# Altium PCB COEXPIX PCB.PcbDoc (part 2 of 2)
Units mm, origin at the board's own origin, x right, y up, seen from the top; angles counter-clockwise.
Board outline 35 x 35 mm, 4 copper layers (Top Layer, Signal Layer 1, Inner Layer 2, Bottom Layer), stack 0.778 mm thick; 134 components, 73 nets, 541 pads, 273 vias.
Unrouted connection lines stored in the file: 33.
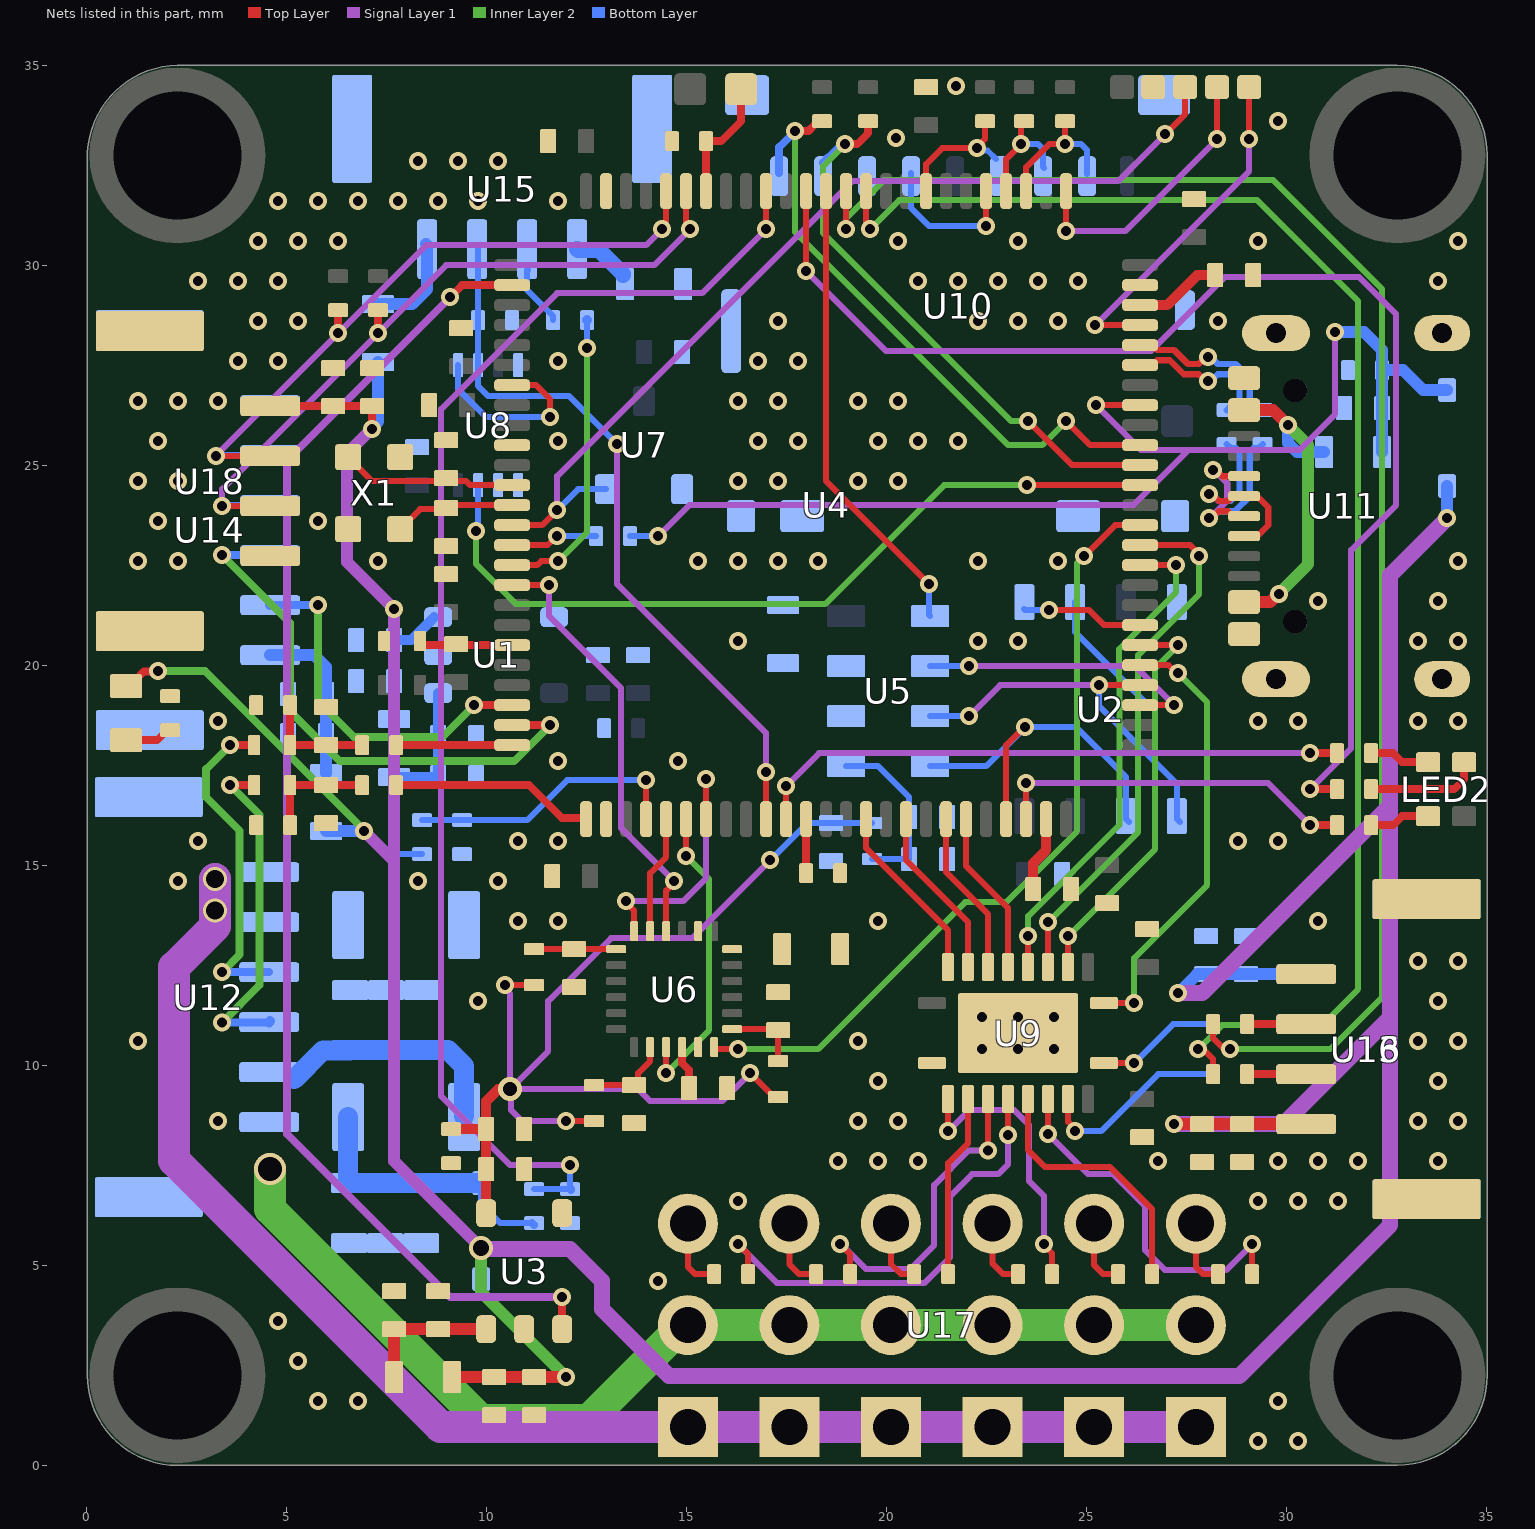
[diagram p4: the nets of this part, all layers, seen from the top]

## Via types
v1: diameter 0.45, hole 0.25, Top Layer to Bottom Layer, tented both sides, 262 vias
v2: diameter 0.45, hole 0.25, Top Layer to Bottom Layer, tented bottom, 6 vias
v3: diameter 0.6, hole 0.45, Top Layer to Bottom Layer, tented both sides, 2 vias
v4: diameter 0.8, hole 0.6, Top Layer to Bottom Layer, tented both sides, 1 vias
v5: diameter 0.6, hole 0.35, Top Layer to Bottom Layer, tented both sides, 1 vias
v6: diameter 0.6, hole 0.4, Top Layer to Bottom Layer, tented both sides, 1 vias

## Nets (pads, with @x,y where several pads share a name; then routed paths per layer and width w, separated by ;. In a path a pad name is that pad's centre, name@x,y a point inside that pad or via, vN(x,y) a via of type N, cw(c..) or ccw(c..) an arc to the next point about the centre after c; other vN are vias at no path point) (continued)
"3.3v sens.": C16.1 C17.1 C22.2 C23.2 C24.2 C27.2 C28.2 C30.2 L4.1 L4.2 L5.1 L5.2 L6.1 L6.2 L16.1 L16.2 R5.1 U3.5 U5.1 U6.1 U6.8 U6.13 | length 40.9
  Top Layer w0.15: v1(10.475,12) L16.1@11.2,12 ; L16.2@11.2,12.9 C30.2@12.2,12.9 U6.1@13.3,12.9 ; v1(12,8.6) L5.1@12.7,8.6 ; L5.2@12.7,9.5 C28.2@13.7,9.5 ; C28.2@13.8,9.5 13.8,9.8 14.1,10.1 U6.8@14.1,10.45 ; U6.13@16.1,10.9 17.3,10.9 C27.2@17.3,10.875 L6.2@17.3,10.1 ; v1(16.6,9.8) L6.1@17.2,9.2
  Top Layer w0.25: R5.1@9.025,8.4 R5.1@9.125,8.4 C16.1@10,8.4 ; U3.5@10,6.3 C17.1@10,7.4 C16.1@10,8.4 ; v5(10.6,9.4) 10.3,9.4 10,9.1 C16.1@10,8.4
  Signal Layer 1 w0.15: v1(10.475,12) 10.475,11.919 10.6,11.794 v5(10.6,9.4) ; v1(12,8.6) 10.9,8.6 10.618,8.882 10.618,9.382 v5(10.6,9.4) ; v1(16.6,9.8) 15.9,9.1 14.1,9.1 13.8,9.4 v5(10.6,9.4) ; v1(17.1,15.125) 15.15,13.175 13.125,13.175 11.55,11.6 11.55,10.35 v5(10.6,9.4)
  Bottom Layer w0.15: v1(17.1,15.125) 18.025,16.05 C24.2@18.625,16.05 L4.1@19.65,16.05 ; U5.1@19,17.475 19.8,17.475 20.575,16.7 C22.2@20.575,16.2 C23.2@20.575,15.15 L4.2@19.65,15.15
"5v input": C39.2 C40.2 C41.2 C42.2 C43.2 C44.2 D2.2 L12.1 L12.2 R4.1 U12.1 U12.2 U17.7 U17.8 U17.9 U17.10 U17.11 U17.12 | length 40.5
  Inner Layer 2 w0.8: v4(4.6,7.4) 4.6,6.4 9.875,1.125 12.55,1.125 14.9,3.475 U17.7@15.05,3.475 ; U17.7@15.04,3.5 U17.8@17.58,3.5 U17.9@20.12,3.5 U17.10@22.66,3.5 U17.11@25.2,3.5 U17.12@27.74,3.5 U17.12@27.75,3.5
  Bottom Layer w0.15: D2.2@9.875,6.925 9.875,6.525 10.35,6.05 R4.1@11.15,6.05
  Bottom Layer w0.2: R4.1@11.15,6.05 R4.1@11.2,6
  Bottom Layer w0.25: D2.2@9.875,7.05 D2.2@9.9,7.05
  Bottom Layer w0.5: U12.2@5.2,9.65 5.921,10.371 6.596,10.371 C41.2@6.6,10.375 ; C41.2@6.225,10.375 C41.2@6.6,10.375 ; L12.2@6.55,8.7 6.55,7.05 C43.2@8.375,7.05 D2.2@9.75,7.05 ; L12.1@9.45,8.725 9.45,9.975 9.05,10.375 C40.2@8.4,10.375 C39.2@7.5,10.375 C41.2@6.6,10.375
"5v input_USB": C38.1 D1.2 L15.1 L15.2 R21.2 R22.2 U4.68 U11.A4 U11.A9 U11.B4 U11.B9 | length 38.6
  Top Layer w0.15: v1(25.25,26.5) U4.68@26.35,26.5 U4.68@26.375,26.5
  Top Layer w0.3: U11.A9@29.025,26.375 29.675,26.375 v1(30.05,26) ; U11.B9@29.2,21.575 29.596,21.575 29.796,21.775 v1(29.825,21.775)
  Signal Layer 1 w0.15: v1(14.3,23.225) 15.075,24 26.175,24 27.55,25.375 ; v1(25.25,26.5) 26.375,25.375 27.55,25.375 ; v1(31.225,28.325) 31.225,26.275 30.325,25.375 27.55,25.375
  Inner Layer 2 w0.3: v1(29.825,21.775) 29.825,21.801 30.55,22.526 30.55,25.5 v1(30.05,26)
  Bottom Layer w0.15: R22.2@13.6,23.225 v1(14.3,23.225)
  Bottom Layer w0.3: v1(30.05,26) 30.05,25.55 30.275,25.325 L15.2@30.95,25.325 ; v1(31.225,28.325) 31.95,28.325 32.4,27.875 R21.2@32.4,27.375 ; L15.1@32.4,25.325 R21.2@32.4,27.375 ; D1.2@34.025,26.875 33.425,26.875 32.925,27.375 R21.2@32.4,27.375
"5v input_USB_valid": R22.1 U4.15 | length 2.2
  Top Layer w0.15: U4.15@10.65,23 11.533,23 11.758,23.225 v1(11.775,23.225)
  Bottom Layer w0.15: v1(11.775,23.225) R22.1@12.75,23.225
"5v input_valid": R4.2 R6.1 U4.91 | length 33.7
  Top Layer w0.15: v1(17,30.9) U4.91@17,31.85
  Signal Layer 1 w0.15: v1(12.1,7.5) 10.6,7.5 8.875,9.225 8.875,26.4 11.775,29.3 15.4,29.3 v1(17,30.9) v1@17,30.775
  Bottom Layer w0.15: R4.2@11.2,6.9 R6.1@12.1,6.9 v1(12.1,7.5)
  Bottom Layer w0.2: R6.1@12.125,6.875 R6.1@12.1,6.9 R6.1@12.125,6.9
"5v main": C4.1 C5.1 C6.1 C7.1 C18.1 C19.1 C20.1 C21.1 C47.2 C48.2 C49.2 C50.2 C51.2 C52.2 C53.2 C54.2 D1.1 D2.1 L1.1 L1.2 L3.1 L3.2 L10.1 L10.2 L17.1 L17.2 LED1.1 LED1.2 R8.1 R11.2 U1.1 U1.3 U3.1 U13.1 U14.1 U15.1 U16.1 U18.1 | length 130
  Top Layer w0.2: LED1.1@1,18.1 LED1.1@1,18.125 1.775,18.125 1.95,18.3 R11.2@2.025,18.375 ; LED1.2@1.15,19.55 1.175,19.55 1.25,19.625 1.25,19.65 1.448,19.848 1.798,19.848 v1(1.8,19.85) ; U18.1@4.6,26.474 7.149,26.474 v1@7.15,25.875
  Top Layer w0.3: L3.1@7.7,2.2 C19.1@7.7,3.4 U3.1@10,3.4 ; L3.2@9.2,2.2 v1(12,2.2) ; v1@27.201,8.526 U13.1@30.5,8.526
  Signal Layer 1 w0.3: v1(6.95,15.85) 7.7,15.1 ; v1@7.125,25.9 6.525,25.3 6.525,22.575 v1(7.7,21.4) 7.7,15.1 ; v6(9.875,5.425) 7.7,7.6 7.7,15.1
  Signal Layer 1 w0.4: v6@9.9,5.4 12.1,5.4 12.9,4.6 12.9,3.9 14.575,2.225 28.825,2.225 32.6,6 32.6,11.2 ; v1(27.2,8.525) 29.925,8.525 32.6,11.2 ; v1(27.3,11.8) 27.9,11.8 32.6,16.5 ; v1(34.025,23.675) 32.6,22.25 32.6,16.5 ; 32.6,11.2 32.6,16.5
  Inner Layer 2 w0.2: v1(1.8,19.85) 2.975,19.85 v1@6.975,15.85
  Inner Layer 2 w0.3: v6(9.875,5.425) 9.875,4.325 v1(12,2.2)
  Bottom Layer w0.15: v1(6.95,15.85) 7.525,15.275 R8.1@8.4,15.275
  Bottom Layer w0.25: L1.1@7.7,17.2 C5.1@8.8,17.2 C4.1@8.8,18.2 U1.1@8.8,19.3 ; L1.2@7.7,18.75 C7.1@7.7,20.6 ; v1@7.724,21.376 v1(7.7,21.4) C7.1@7.7,20.6 ; U1.3@8.7,21.2 8.575,21.075 8.129,20.629 7.729,20.629 C7.1@7.7,20.6
  Bottom Layer w0.3: U14.1@4.6,20.25 5.7,20.25 6,19.95 L10.2@6,17.3 ; L10.1@6,15.85 v1(6.95,15.85) v1@6.975,15.85 ; v1(7.15,25.9) 7.15,25.941 7.3,26.091 L17.1@7.3,27.575 ; L17.2@7.3,29.025 8.15,29.025 8.525,29.4 8.525,30.5 U15.1@8.5,30.525 ; D2.1@9.875,4.625 D2.1@9.875,4.65 v6(9.875,5.425) ; v1(27.3,11.8) 27.774,12.274 U16.1@30.5,12.274 ; v1(34.025,23.675) D1.1@34.025,24.475
"5v main_sens.": R8.2 R9.1 U4.29 | length 7
  Top Layer w0.15: U4.29@14,16.15 v1(14,17.125)
  Bottom Layer w0.15: R8.2@8.4,16.125 R9.1@9.4,16.125 11.025,16.125 12.025,17.125 v1(14,17.125)
AGND: C39.1 C40.1 C41.1 L13.2 U12.5 U12.6 U17.13 U17.14 U17.15 U17.16 U17.17 U17.18 | length 35.8
  Signal Layer 1 w0.8: v3(3.225,14.65) v3(3.225,13.862) 3.225,13.475 2.2,12.45 2.2,7.617 8.858,0.96 U17.13@15.04,0.96 U17.14@17.58,0.96 U17.15@20.12,0.96 U17.16@22.66,0.96 U17.17@25.2,0.96 U17.18@27.74,0.96
AGND2: C14.2 C26.1 C27.1 C28.1 C30.1 L7.1 L11.1 L14.1 U4.20 U5.2 U5.3 U6.11 U6.18 U6.20 | length 2.4
  Top Layer w0.2: L7.1@8.4,20.6 8.4,20.5 U4.20@10.65,20.5
AGND3: L18.2 U15.4 | length 1.4
  Bottom Layer w0.4: U15.4@12.275,30.4 12.299,30.376 12.824,30.376 13.375,29.825 13.425,29.775 L18.2@13.425,29.75
AUX1: R34.1 R34.2 U9.15 U17.1 | length 13.6
  Top Layer w0.15: U17.1@15.04,6.04 15.04,4.96 15.225,4.775 R34.1@15.7,4.775 ; v1(16.3,5.525) 16.55,5.275 R34.2@16.55,4.775 ; U9.15@23.048,9.152 23.048,8.252 v1(23.05,8.25)
  Signal Layer 1 w0.15: v1(16.3,5.525) 17.275,4.55 20.95,4.55 21.6,5.2 21.6,6.725 22.15,7.275 22.8,7.275 23.048,7.523 v1@23.048,8.252
AUX2: R35.1 R35.2 U9.14 U17.2 | length 9.9
  Top Layer w0.15: U17.2@17.58,6.04 17.58,5.02 17.825,4.775 R35.1@18.25,4.775 ; v1(18.85,5.525) 19.1,5.275 R35.2@19.1,4.775 ; v1(22.547,7.867) U9.14@22.547,9.152
  Signal Layer 1 w0.15: v1@18.9,5.5 19.5,4.9 20.6,4.9 21.2,5.5 21.2,7 22.067,7.867 v1(22.547,7.867)
AUX3: R36.1 R36.2 U9.13 U17.3 | length 6.3
  Top Layer w0.15: U17.3@20.12,6.04 20.12,5.03 20.375,4.775 R36.1@20.7,4.775 ; R36.2@21.55,4.775 21.55,7.55 22.048,8.048 U9.13@22.048,9.152
AUX4: R37.1 R37.2 U9.12 U17.4 | length 8.9
  Top Layer w0.15: U9.12@21.547,9.152 21.547,8.353 v1(21.55,8.35) ; U17.4@22.66,6.04 22.66,5.04 22.925,4.775 R37.1@23.3,4.775 ; v1(23.95,5.525) 23.95,5.492 24.15,5.292 R37.2@24.15,4.775
  Signal Layer 1 w0.15: v1(21.55,8.35) 22.075,8.875 23.2,8.875 23.575,8.5 23.575,7.1 23.95,6.725 v1(23.95,5.525)
AUX5: R38.1 R38.2 U9.16 U17.5 | length 8.4
  Top Layer w0.15: U9.16@23.55,9.225 23.55,7.875 23.975,7.45 25.6,7.45 26.65,6.4 R38.2@26.65,4.775 ; U17.5@25.2,6.04 25.2,5 25.425,4.775 R38.1@25.8,4.775
AUX6: R39.1 R39.2 U9.17 U17.6 | length 10.8
  Top Layer w0.15: U9.17@24.047,9.152 24.047,8.278 v1(24.05,8.275) ; U17.6@27.74,6.04 27.74,4.96 27.925,4.775 R39.2@28.3,4.775 ; R39.1@29.15,4.775 v1(29.15,5.525)
  Signal Layer 1 w0.15: v1(24.05,8.275) 25.05,7.275 25.675,7.275 26.475,6.475 26.475,5.375 26.975,4.875 28.5,4.875 v1(29.15,5.525)
BOOT0: pad.1@16.375,34.4 R10.1 U4.94 | length 3.1
  Top Layer w0.2: U4.94@15.5,31.85 R10.1@15.5,33.1 15.875,33.1 16.375,33.6 pad.1@16.375,34.4
BOOT1: R7.2 U4.37 | length 1.4
  Top Layer w0.2: R7.2@18,14.8 U4.37@18,16.175
"Current sens.": C45.1 L8.1 L8.2 R25.1 R25.2 R28.1 U4.26 U12.3 | length 16.3
  Top Layer w0.2: v1(3.6,17) L8.1@4.2,17 ; R28.1@5.1,16 L8.2@5.1,17 C45.1@6,17 R25.1@6.9,17 ; R25.2@7.75,17 11.075,17 11.9,16.175 12.475,16.175 U4.26@12.5,16.15
  Inner Layer 2 w0.2: v1(3.4,11.07) 4.339,12.009 4.339,16.261 v1(3.6,17)
  Bottom Layer w0.2: v1(3.4,11.07) U12.3@4.57,11.07
  Bottom Layer w0.25: U12.3@4.57,11.07 U12.3@4.6,11.1
FMU_AUX1: U4.45 U9.6 | length 4.1
  Top Layer w0.15: U4.45@22,16.15 22,14.975 23.048,13.927 U9.6@23.048,12.452
FMU_AUX2: U4.44 U9.7 | length 4.1
  Top Layer w0.15: U4.44@21.5,16.15 21.5,14.825 22.55,13.775 U9.7@22.55,12.45
FMU_AUX3: U4.42 U9.8 | length 4.3
  Top Layer w0.15: U4.42@20.5,16.15 20.5,15.125 22.05,13.575 U9.8@22.05,12.45
FMU_AUX4: U4.40 U9.9 | length 4.5
  Top Layer w0.15: U4.40@19.5,16.15 19.5,15.425 21.55,13.375 U9.9@21.55,12.45
FMU_AUX5: U4.60 U9.5 | length 12.5
  Top Layer w0.15: U9.5@23.55,12.55 v1(23.55,13.225) ; U4.60@26.35,22.5 v1(27.25,22.5)
  Top Layer w0.2: U9.5@23.5,12.5 U9.5@23.55,12.55
  Inner Layer 2 w0.15: v1(23.55,13.225) 23.55,13.725 25.83,16.005 25.83,19.678 25.825,19.683 25.825,20.4 27.25,21.825 v1(27.25,22.5)
FMU_AUX6: U4.61 U9.4 | length 13.5
  Top Layer w0.15: U9.4@24.05,12.45 v1(24.05,13.575) ; U4.61@26.35,23 27.6,23 27.825,22.775 v1(27.825,22.725)
  Top Layer w0.2: U9.4@24.05,12.45 U9.4@24.1,12.4
  Inner Layer 2 w0.15: v1(24.05,13.575) 26.3,15.825 26.3,20.25 27.825,21.775 v1(27.825,22.725)
"FMU_RC input": U4.64 U8.7 | length 20.2
  Top Layer w0.15: v1(23.525,24.5) U4.64@26.35,24.5
  Inner Layer 2 w0.15: v1(9.75,23.35) 9.75,22.525 10.75,21.525 18.475,21.525 21.45,24.5 v1(23.525,24.5)
  Bottom Layer w0.15: v1(9.75,23.35) 9.75,23.404 9.8,23.454 U8.7@9.8,24.5
FRAM_SPI_CS: U2.1 U4.57 | length 3.1
  Top Layer w0.15: v1(24.075,21.375) 25.075,21.375 25.45,21 U4.57@26.35,21
  Bottom Layer w0.15: U2.1@23.45,21.4 23.475,21.375 v1(24.075,21.375)
FRAM_SPI_MISO: U2.2 U4.53 U5.6 | length 11.3
  Top Layer w0.15: U4.53@26.35,19 v1(27.2,19)
  Signal Layer 1 w0.15: v1(22.075,19.975) 26.225,19.975 v1(27.2,19)
  Bottom Layer w0.15: U5.6@21.1,19.975 v1(22.075,19.975) ; U2.2@24.725,21.575 24.725,20.825 26.55,19 v1(27.2,19)
FRAM_SPI_MOSI: U2.5 U4.54 U5.7 | length 9.8
  Top Layer w0.15: v1(25.325,19.5) U4.54@26.35,19.5
  Signal Layer 1 w0.15: v1(22.075,18.725) 22.85,19.5 v1(25.325,19.5)
  Bottom Layer w0.15: U5.7@21.1,18.725 v1(22.075,18.725) ; v1(25.325,19.5) 25.325,18.975 27.275,17.025 27.275,16.15 U2.5@27.35,16.075
FRAM_SPI_SCK: U2.6 U4.47 U5.8 | length 9.5
  Top Layer w0.15: U4.47@23,16.15 23,18 23.45,18.45 v1(23.475,18.45)
  Bottom Layer w0.15: U5.8@21.1,17.475 22.5,17.475 v1(23.475,18.45) 24.75,18.45 26,17.2 26,16.15 U2.6@26.075,16.075
GND: C1.1 C2.2 C3.2 C4.2 C5.2 C6.2 C7.2 C8.1 C9.1 C10.1 C11.1 C12.1 C13.1 C15.1 C16.2 C17.2 C18.2 C19.2 C20.2 C21.2 C22.1 C23.1 C24.1 C25.2 C29.1 C31.2 C32.2 C33.2 C34.1 C35.1 C36.2 C37.2 C38.2 C42.1 C43.1 C44.1 C45.2 C46.2 C47.1 C48.1 C49.1 C50.1 C51.1 C52.1 C53.1 C54.1 L7.2 L11.2 L13.1 L14.2 L18.1 pad.1@26.675,34.45 R1.2 R5.2 R6.2 R7.1 R9.2 R10.2 R11.1 R14.1 R21.1 R27.2 R28.2 U1.2 U1.4 U2.4 U3.2 U3.4 U4.10 U4.27 U4.74 U4.99 U7.1 U8.4 U8.5 U8.6 U9.11 U9.21 U10.6 U10.11 U11.1@29.746,19.651 U11.1@29.746,28.301 U11.1@33.9,19.65 U11.1@33.9,28.3 U11.A1 U11.A12 U11.B1 U11.B12 U12.7 U13.4 U13.5 U14.6 U14.7 U15.5 U16.4 U16.5 U18.4 U18.5 X1.2 X1.4
  other v1: 29.3,0.6 30.3,0.6 5.8,1.6 6.8,1.6 29.8,1.6 5.3,2.6 4.8,3.6 14.3,4.6 16.3,6.6 29.3,6.6 30.3,6.6 31.3,6.6 18.8,7.6 19.8,7.6 20.8,7.6 26.8,7.6 29.8,7.6 30.8,7.6 31.8,7.6 33.8,7.6 3.3,8.6 19.3,8.6 20.3,8.6 33.3,8.6 34.3,8.6 19.8,9.6 33.8,9.6 1.3,10.6 19.3,10.6 33.3,10.6 34.3,10.6 9.8,11.6 33.8,11.6 33.3,12.6 34.3,12.6 10.8,13.6 11.8,13.6 19.8,13.6 30.8,13.6 2.3,14.6 8.3,14.6 10.3,14.6 2.8,15.6 10.8,15.6 11.8,15.6 28.8,15.6 29.8,15.6 11.8,17.6 14.8,17.6 3.3,18.6 29.3,18.6 30.3,18.6 33.3,18.6 34.3,18.6 16.3,20.6 22.3,20.6 23.3,20.6 33.3,20.6 34.3,20.6 30.8,21.6 33.8,21.6 1.3,22.6 2.3,22.6 7.3,22.6 15.3,22.6 16.3,22.6 17.3,22.6 18.3,22.6 22.3,22.6 24.3,22.6 34.3,22.6 1.8,23.6 5.8,23.6 1.3,24.6 2.3,24.6 16.3,24.6 17.3,24.6 19.3,24.6 20.3,24.6 1.8,25.6 11.8,25.6 16.8,25.6 17.8,25.6 19.8,25.6 20.8,25.6 21.8,25.6 1.3,26.6 2.3,26.6 3.3,26.6 16.3,26.6 17.3,26.6 19.3,26.6 20.3,26.6 3.8,27.6 4.8,27.6 11.8,27.6 16.8,27.6 17.8,27.6 4.3,28.6 5.3,28.6 17.3,28.6 22.3,28.6 23.3,28.6 24.3,28.6 28.3,28.6 2.8,29.6 3.8,29.6 4.8,29.6 20.8,29.6 21.8,29.6 22.8,29.6 23.8,29.6 24.8,29.6 33.8,29.6 4.3,30.6 5.3,30.6 6.3,30.6 20.3,30.6 23.3,30.6 29.3,30.6 34.3,30.6 4.8,31.6 5.8,31.6 6.8,31.6 7.8,31.6 8.8,31.6 9.8,31.6 11.8,31.6 8.3,32.6 9.3,32.6 10.3,32.6 20.25,33.175 29.8,33.6 21.75,34.475
  other v2: 22.4,10.4 23.3,10.4 24.2,10.4 22.4,11.2 23.3,11.2 24.2,11.2
GPS_UART_RX: U4.24 U14.3 | length 14.2
  Top Layer w0.2: U4.24@10.65,18.5 v1(11.6,18.5)
  Top Layer w0.25: U4.24@10.6,18.5 U4.24@10.65,18.5
  Inner Layer 2 w0.2: v1(3.4,22.75) 5.1,21.05 5.1,18.84 6.34,17.6 10.7,17.6 v1(11.6,18.5)
  Bottom Layer w0.2: v1(3.4,22.75) U14.3@4.6,22.75
GPS_UART_TX: U4.23 U14.2 | length 9.2
  Top Layer w0.2: v1(9.7,19) U4.23@10.65,19
  Inner Layer 2 w0.2: v1(5.8,21.5) 5.8,19.1 6.7,18.2 8.9,18.2 v1(9.7,19)
  Bottom Layer w0.2: U14.2@4.6,21.5 v1(5.8,21.5)
I2C_SCL: R3.2 U4.95 U14.4 U18.3 | length 18.8
  Top Layer w0.15: v1(3.4,23.975) U18.3@4.6,23.975 ; U4.95@15,31.85 15,31.068 15.1,30.968 v1(15.1,30.9)
  Top Layer w0.2: v1(7.3,28.3) R3.2@7.3,28.875
  Signal Layer 1 w0.15: v1(3.4,23.975) 3.4,24.4 v1(7.3,28.3) 9,30 14.2,30 v1(15.1,30.9)
  Bottom Layer w0.15: v1@3.4,23.95 3.45,24 U14.4@4.6,24
I2C_SDA: R2.2 U4.96 U14.5 U18.2 | length 17.6
  Top Layer w0.15: v1(3.25,25.225) U18.2@4.6,25.225 ; v1(14.4,30.9) 14.4,30.968 14.5,31.068 U4.96@14.5,31.85
  Top Layer w0.2: v1(6.3,28.3) R2.2@6.3,28.875
  Signal Layer 1 w0.15: v1(3.25,25.225) 3.25,25.25 6.252,28.252 v1(6.3,28.3) 8.5,30.5 14,30.5 v1(14.4,30.9)
  Bottom Layer w0.15: v1@3.425,25.25 U14.5@4.6,25.25
LED_BLUE: LED2.4 R12.1 R12.2 U4.89 | length 35
  Top Layer w0.15: v1(18,29.85) U4.89@18,31.85
  Top Layer w0.2: v1(30.6,16.9) R12.1@31.275,16.9 ; R12.2@32.125,16.9 34.2,16.9 34.45,17.15 LED2.4@34.45,17.575
  Signal Layer 1 w0.15: v1(18,29.85) 19.99,27.86 26.625,27.86 28.465,29.7 31.825,29.7 32.75,28.775 32.75,24 31.625,22.875 31.625,17.925 v1(30.6,16.9)
LED_GREEN: LED2.2 R13.1 R13.2 U4.36 | length 16.5
  Top Layer w0.15: U4.36@17.475,16.1 17.5,16.125 U4.36@17.5,16.15 v1(17.5,16.975)
  Top Layer w0.2: v1(30.6,17.8) R13.1@31.275,17.8 ; R13.2@32.125,17.8 32.675,17.8 32.9,17.575 LED2.2@33.55,17.575
  Signal Layer 1 w0.15: v1(17.5,16.975) 18.325,17.8 v1(30.6,17.8)
LED_RED: LED2.1 R15.1 R15.2 U4.48 | length 10.7
  Top Layer w0.15: U4.48@23.5,16.1 U4.48@23.5,16.15 v1(23.5,17.05)
  Top Layer w0.2: v1(30.6,16) R15.1@31.275,16 ; R15.2@32.125,16 32.675,16 32.9,16.225 LED2.1@33.55,16.225
  Signal Layer 1 w0.15: v1@23.5,17 v1@23.502,17.002 ; v1(23.5,17.05) 29.55,17.05 v1(30.6,16)
MicroSD_CLK: U4.80 U10.5 | length 3.8
  Top Layer w0.15: v1(22.5,30.975) U4.80@22.5,31.85
  Bottom Layer w0.15: U10.5@20.625,32.3 20.625,31.425 21.075,30.975 v1(22.5,30.975)
MicroSD_CMD: R16.2 U4.83 U10.3 | length 3.4
  Top Layer w0.15: U4.83@21,31.875 21,32.525 21.4,32.925 v1(22.275,32.925) 22.275,32.963 22.475,33.163 R16.2@22.475,33.6
  Bottom Layer w0.15: v1(22.275,32.925) 22.332,32.868 22.532,32.868 U10.3@22.75,32.65
MicroSD_DAT0: R20.2 U4.65 U10.7 | length 14.5
  Top Layer w0.15: v1(23.55,26.1) 24.65,25 U4.65@26.35,25
  Top Layer w0.2: v1(18.975,33.025) 19.275,33.025 19.55,33.3 R20.2@19.55,33.6
  Inner Layer 2 w0.15: v1(18.975,33.025) 18.425,32.475 18.425,30.8 23.125,26.1 v1(23.55,26.1)
  Bottom Layer w0.2: U10.7@18.425,32.55 18.425,32.568 18.549,32.692 18.567,32.692 18.852,32.977 18.927,32.977 v1(18.975,33.025)
MicroSD_DAT1: R19.2 U4.66 U10.8 | length 15.7
  Top Layer w0.15: v1(24.5,26.1) 25.1,25.5 U4.66@26.325,25.5
  Top Layer w0.2: v1(17.725,33.35) 17.734,33.359 18.059,33.359 18.225,33.525 18.25,33.525 18.3,33.575 R19.2@18.3,33.6
  Inner Layer 2 w0.15: v1(17.725,33.35) 17.725,30.825 23.05,25.5 23.9,25.5 v1(24.5,26.1)
  Bottom Layer w0.2: U10.8@17.325,32.3 17.325,32.95 v1(17.725,33.35)
MicroSD_DAT2: R18.2 U4.78 U10.1 | length 3.6
  Top Layer w0.15: U4.78@23.5,31.85 23.5,32.45 24.075,33.025 v1(24.475,33.025) R18.2@24.475,33.6
  Bottom Layer w0.15: v1(24.475,33.025) 24.875,33.025 25.025,32.875 25.025,32.3 U10.1@25.025,32.275
MicroSD_DAT3: R17.2 U4.79 U10.2 | length 3
  Top Layer w0.15: U4.79@23,31.85 23,32.65 v1(23.375,33.025) 23.375,33.6 R17.2@23.4,33.625
  Bottom Layer w0.15: v1(23.375,33.025) 23.8,33.025 23.925,32.9 23.925,32.45 U10.2@23.95,32.425
MPU9250_SPI_CS: U4.17 U6.22 | length 11
  Top Layer w0.15: U4.17@10.65,22 v1(11.575,22) ; U6.22@14.5,13.35 14.5,14.362 14.7,14.562 v1(14.7,14.6)
  Signal Layer 1 w0.15: v1(11.575,22) 11.575,21.225 13.375,19.425 13.375,15.925 v1(14.7,14.6)
MPU9250_SPI_INT: U4.62 U6.12 | length 20
  Top Layer w0.15: U6.12@15.7,10.4 v1(16.3,10.4) ; v1(24.95,22.725) 25.725,23.5 U4.62@26.35,23.5
  Inner Layer 2 w0.15: v1(16.3,10.4) 18.3,10.4 21.975,14.075 23,14.075 24.775,15.85 24.775,22.55 v1(24.95,22.725)
MPU9250_SPI_SCLK: U4.30 U6.23 | length 2.9
  Top Layer w0.15: U6.23@14.1,13.35 14.1,14.8 14.5,15.2 U4.30@14.5,16.1
MPU9250_SPI_SDI: U4.32 U6.24 | length 6.5
  Top Layer w0.15: v1(13.5,14.1) 13.5,14.062 13.7,13.862 U6.24@13.7,13.35 ; U4.32@15.5,16.1 v1(15.5,17.15)
  Signal Layer 1 w0.15: v1(13.5,14.1) 14.925,14.1 15.5,14.675 v1@15.5,17.1
MPU9250_SPI_SDO: U4.31 U6.9 | length 7.6
  Top Layer w0.15: v1@14.5,9.9 U6.9@14.5,10.45 ; v1@15,15.2 v1(15,15.225) U4.31@15,16.15
  Inner Layer 2 w0.15: v1(14.5,9.8) 15.575,10.875 15.575,14.65 v1(15,15.225)
"MS5607_SPI_ CS": U4.88 U5.5 | length 11.7
  Top Layer w0.15: U4.88@18.5,31.85 18.5,24.6 v1(21.075,22.025)
  Bottom Layer w0.15: v1(21.075,22.025) 21.075,21.25 U5.5@21.1,21.225
NRST: pad.1@27.475,34.45 U4.14 U7.2 | length 23.7
  Top Layer w0.15: U4.14@10.65,23.5 11.4,23.5 v1(11.775,23.875) ; v1(26.975,33.275) 27.475,33.775 pad.1@27.475,34.45
  Signal Layer 1 w0.15: v1(11.775,23.875) 11.775,24.725 19.15,32.1 25.8,32.1 v1(26.975,33.275)
  Bottom Layer w0.15: v1(11.775,23.875) 12.3,24.4 U7.2@13,24.4
OSC_IN: C15.2 U4.12 X1.3 | length 4.2
  Top Layer w0.15: X1.3@6.55,25.2 7.15,24.6 C15.2@8.8,24.6 ; C15.2@9,24.7 9.1,24.6 9.5,24.6 9.6,24.5 U4.12@10.65,24.5
OSC_OUT: C25.1 U4.13 X1.1 | length 3.1
  Top Layer w0.15: X1.1@7.85,23.4 8.35,23.9 9,23.9 9.1,24 U4.13@10.65,24 U4.13@10.7,24
"RC input": R14.2 U4.35 U8.2 U15.2 | length 18.5
  Top Layer w0.15: U4.35@17,16.15 v1(17,17.325)
  Top Layer w0.25: U4.35@17,16.1 U4.35@17,16.15
  Signal Layer 1 w0.15: v1@13.275,25.5 13.275,22.025 17,18.3 v1(17,17.325)
  Bottom Layer w0.15: U15.2@9.8,30.425 U8.2@9.8,27.5 9.8,26.975 10.05,26.725 12.075,26.725 v1(13.275,25.525)
REGOUT: C26.2 U6.10 | length 1.3
  Top Layer w0.2: U6.10@14.9,10.45 14.9,10.05 15.075,9.875 C26.2@15.075,9.425 C26.2@15.075,9.225
RSSI_IN: R31.1 R31.2 U4.16 U15.3 | length 9.1
  Top Layer w0.15: U4.16@10.65,22.5 11.275,22.5 11.375,22.6 v1(11.8,22.6)
  Inner Layer 2 w0.15: v1(11.8,22.6) 12.525,23.325 v1(12.525,27.925)
  Bottom Layer w0.15: U15.3@11.025,29.875 11.05,29.875 11.025,29.85 11.025,29.375 11.675,28.725 R31.2@11.675,28.625 ; v1(12.525,27.925) R31.1@12.525,28.625
SBUS_INV: U4.7 U8.1 | length 4.8
  Top Layer w0.15: U4.7@10.6,27 U4.7@10.65,27 11.25,27 11.6,26.65 v1(11.6,26.2)
  Bottom Layer w0.15: U8.1@9.3,27.5 9.3,26.9 10,26.2 v1(11.6,26.2)
"Sens. enable": U3.3 U4.2 | length 33.8
  Top Layer w0.2: v1(9.1,29.2) 9.4,29.5 U4.2@10.65,29.5 ; U3.3@11.9,3.3 v1(11.9,4.2)
  Signal Layer 1 w0.2: v1(9.1,29.2) 5.025,25.125 5.025,8.275 9.1,4.2 v1(11.9,4.2)
SWCLK: pad.1@28.275,34.45 U4.76 | length 7
  Top Layer w0.15: v1(24.5,30.85) U4.76@24.5,31.85 ; v1(28.275,33.15) pad.1@28.275,34.45
  Signal Layer 1 w0.15: v1(24.5,30.85) 25.975,30.85 v1(28.275,33.15)
SWDIO: pad.1@29.075,34.45 U4.72 | length 8.7
  Top Layer w0.15: v1(25.225,28.5) U4.72@26.35,28.5 ; v1(29.075,33.15) pad.1@29.075,34.45
  Signal Layer 1 w0.15: v1(25.225,28.5) 29.075,32.35 v1(29.075,33.15)
Telem1_UART_RX: R30.1 R30.2 U4.87 U13.3 | length 40.6
  Top Layer w0.15: v1(19,30.9) U4.87@19,31.85 ; R30.1@28.1,11.05 28.1,11.025 28.175,10.95 28.175,10.675 28.402,10.448 28.552,10.448 v1(28.6,10.4)
  Top Layer w0.2: R30.2@29.025,11.025 30.45,11.025 U13.3@30.475,11.05
  Inner Layer 2 w0.15: v1(19,30.9) 19,31.175 19.95,32.125 29.675,32.125 32.4,29.4 32.4,11.7 31.1,10.4 v1(28.6,10.4)
Telem1_UART_TX: R29.1 R29.2 U4.86 U13.2 | length 38.6
  Top Layer w0.15: U4.86@19.5,31.85 19.5,31.081 19.6,30.981 v1(19.6,30.9) ; v1(27.8,10.4) 27.925,10.4 28.175,10.15 28.175,9.875 R29.1@28.15,9.85
  Top Layer w0.2: R29.2@29.025,9.775 U13.2@30.525,9.775
  Inner Layer 2 w0.15: v1(19.6,30.9) 20.325,31.625 29.275,31.625 31.8,29.1 31.8,11.9 30.9,11 28.4,11 v1(27.8,10.4)
Telem2_UART_FMU_RX: U4.56 U9.3 | length 10.2
  Top Layer w0.15: U9.3@24.55,12.45 v1(24.55,13.225) ; U4.56@26.35,20.5 v1(27.3,20.5)
  Top Layer w0.2: U9.3@24.5,12.4 U9.3@24.55,12.45
  Inner Layer 2 w0.15: v1(24.55,13.225) 26.725,15.4 26.725,19.925 v1(27.3,20.5)
Telem2_UART_FMU_TX: U4.55 U9.1 | length 11.1
  Top Layer w0.15: U9.1@25.448,11.552 v1@26.148,11.552 ; U4.55@26.35,20 27.059,20 27.259,19.8 v1(27.3,19.8)
  Top Layer w0.3: v1@26.148,11.552 v1@26.2,11.5
  Inner Layer 2 w0.15: v1(26.2,11.55) 26.2,12.675 28.025,14.5 28.025,19.075 v1(27.3,19.8)
Telem2_UART_RX: R33.1 R33.2 U9.18 U16.3 | length 6.3
  Top Layer w0.15: U9.18@24.547,9.152 24.547,8.583 24.725,8.405 v1(24.725,8.35)
  Bottom Layer w0.15: v1(24.725,8.35) 25.375,8.35 26.8,9.775 R33.1@28.175,9.775 ; R33.2@29.025,9.775 30.4,9.775 U16.3@30.425,9.8
Telem2_UART_TX: R32.1 R32.2 U9.20 U16.2 | length 4.6
  Top Layer w0.15: U9.20@25.448,10.052 v1@26.148,10.052
  Top Layer w0.3: v1@26.148,10.052 v1@26.2,10
  Bottom Layer w0.15: v1(26.2,10.05) 27.175,11.025 R32.1@28.175,11.025 ; R32.2@29.025,11.025 30.4,11.025 U16.2@30.425,11.05
USB_D_N: R24.1 R24.2 U4.70 U11.A7 U11.B7 | length 9
  Top Layer w0.16: U4.70@26.35,27.5 26.655,27.5 26.775,27.62 27.087,27.62 27.437,27.27 27.811,27.27 27.981,27.1 v1(28.05,27.1) ; v1(28.075,24.275) 28.144,24.275 28.314,24.105 28.555,24.105 28.675,24.225 U11.A7@28.95,24.225 29.275,24.225 29.55,23.95 29.55,23.5 29.275,23.225 U11.B7@28.95,23.225 U11.B7@28.925,23.225
  Bottom Layer w0.16: v1(28.05,27.1) 28.119,27.1 28.289,27.27 28.625,27.27 28.834,27.061 28.834,26.564 28.74,26.47 28.609,26.47 R24.2@28.514,26.375 ; v1(28.075,24.275) 28.144,24.275 28.314,24.105 28.605,24.105 28.834,24.334 28.834,25.336 28.74,25.43 28.609,25.43 R24.1@28.514,25.525
USB_D_P: R23.1 R23.2 U4.71 U11.A6 U11.B6 | length 10.4
  Top Layer w0.16: U4.71@26.35,28 26.655,28 26.775,27.88 27.195,27.88 27.545,27.53 27.811,27.53 27.981,27.7 v1(28.05,27.7) ; v1(28.075,23.675) 28.144,23.675 28.314,23.845 28.555,23.845 28.675,23.725 U11.A6@28.95,23.725 ; v1(28.175,24.875) 28.253,24.875 28.403,24.725 U11.B6@28.95,24.725
  Signal Layer 1 w0.16: v1(28.075,23.675) 28.09,23.675 28.525,24.11 28.525,24.55 28.2,24.875 v1(28.175,24.875)
  Bottom Layer w0.16: v1(28.05,27.7) 28.119,27.7 28.289,27.53 28.733,27.53 29.094,27.169 29.094,26.564 29.187,26.47 29.319,26.47 R23.2@29.414,26.375 ; v1(28.075,23.675) 28.144,23.675 28.314,23.845 28.713,23.845 29.094,24.226 29.094,25.336 29.187,25.43 29.319,25.43 R23.1@29.414,25.525
VCAP_1: C32.1 U4.49 | length 1.9
  Top Layer w0.25: C32.1@23.675,14.4 23.675,15.05 24,15.375 U4.49@24,16.15
VCAP_2: C33.1 U4.73 | length 2.2
  Top Layer w0.25: U4.73@26.325,29 U4.73@26.35,29 27.025,29 27.775,29.75 28.246,29.75 28.25,29.746 C33.1@28.25,29.75
"Voltage sens.": C46.1 L9.1 L9.2 R26.1 R26.2 R27.1 U4.25 U12.4 | length 13.9
  Top Layer w0.2: v1(3.6,18) L9.1@4.2,18 ; R27.1@5.1,19 L9.2@5.1,18 R26.2@6.9,18 ; R26.1@7.75,18 U4.25@10.65,18
  Inner Layer 2 w0.2: v1(3.4,12.325) 3.839,12.764 3.839,15.861 3,16.7 3,17.4 v1(3.6,18)
  Bottom Layer w0.2: v1@3.425,12.325 U12.4@4.575,12.325
  Bottom Layer w0.25: v1@3.4,12.3 v1@3.425,12.325
pads on no net: U4.1 U4.3 U4.4 U4.5 U4.8 U4.9 U4.18 U4.33 U4.34 U4.38 U4.39 U4.41 U4.43 U4.46 U4.51 U4.52 U4.58 U4.59 U4.63 U4.67 U4.69 U4.77 U4.81 U4.82 U4.84 U4.85 U4.90 U4.92 U4.93 U4.97 U4.98 U5.4 U6.2 U6.3 U6.4 U6.5 U6.6 U6.7 U6.14 U6.15 U6.16 U6.17 U6.19 U6.21 U8.3 U9.SOLDERPASTE U10.9 U10.10 U11. U11.1@29.746,19.651 U11.1@29.746,28.301 U11.1@33.9,19.65 U11.1@33.9,28.3 U11.A5 U11.A8 U11.B5 U11.B8

## Polygon pours and split planes (outlines as drawn)
GND on Top Layer "Top Layer-No Net1" (solid, remove dead copper, pour order 19): 0.029,2.247 0.029,32.647 cw(c2.329,32.697) 2.279,34.997 32.779,34.997 cw(c32.779,32.747) 35.029,32.747 35.029,2.247 cw(c32.779,2.247) 32.779,-0.003 2.279,-0.003 cw(c2.279,2.247)
AGND2 on Top Layer "AGND2_L01_P011" (solid, remove dead copper, pour order 11): 13.85,14.2 11.325,11.675 11.325,8.175 11.6,7.9 17.975,7.9 18.675,8.6 18.675,11.825 18.1,12.4 18.1,13.4 17.3,14.2
no net on Top Layer "NONET_L01_P010" (solid, remove dead copper, pour order 10): 11.5,14.5
no net on Top Layer "Top Layer-No Net" (solid, pour order 9): -31.07,1.4
GND on Bottom Layer "Inner Layer 2-No Net" (solid, remove dead copper, pour order 22): 0.029,2.247 0.029,32.647 cw(c2.329,32.697) 2.279,34.997 32.779,34.997 cw(c32.779,32.747) 35.029,32.747 35.029,2.247 cw(c32.779,2.247) 32.779,-0.003 2.279,-0.003 cw(c2.279,2.247)
AGND2 on Bottom Layer "AGND2_L04_P017" (solid, remove dead copper, pour order 17): 19.7,20.2 19.4,20.5 17,20.5 16.8,20.3 16.8,19.8 18.3,18.3 19.5,18.3 19.7,18.5
no net on Bottom Layer "NONET_L04_P015" (solid, remove dead copper, pour order 15): 20.55,28.075
AGND on Bottom Layer "AGND_L04_P013" (solid, remove dead copper, pour order 13): 2.75,15.1 6.423,15.1 7.202,14.321 7.202,13.121 8.002,12.321 9.002,12.321 9.002,11.221 5.702,11.221 5.702,12.721 5.123,13.3 2.75,13.3
"5v input" on Bottom Layer "5V_INPUT_L04_P012" (solid, remove dead copper, pour order 12): 3.725,10.175 5.45,10.175 5.45,6.8 3.725,6.8
GND on Signal Layer 1 "Top Layer-No Net2" (solid, remove dead copper, pour order 20): 0.029,2.247 0.029,32.647 cw(c2.329,32.697) 2.279,34.997 32.779,34.997 cw(c32.779,32.747) 35.029,32.747 35.029,2.247 cw(c32.779,2.247) 32.779,-0.003 2.279,-0.003 cw(c2.279,2.247)
GND on Inner Layer 2 "Signal Layer 1-No Net" (solid, remove dead copper, pour order 21): 0.029,2.247 0.029,32.647 cw(c2.329,32.697) 2.279,34.997 32.779,34.997 cw(c32.779,32.747) 35.029,32.747 35.029,2.247 cw(c32.779,2.247) 32.779,-0.003 2.279,-0.003 cw(c2.279,2.247)

## Keep-outs
Keep-Out Layer:
  the board outline again, w0.1

## Other copper
Top Layer:
  pour cut-out: 13.6,10.8 13.6,13 15.8,13 15.8,10.8

## Silkscreen, mask and mechanical layers (free items; w line width, h text height)
Top Overlay:
  text "RC IN" at 9.5,34.5 h2 r180
  text "CLK" at 28.075,34.025 h0.8 r270
  text "3.3V" at 25.7,34 h0.8 r270
  text "GND" at 26.5,34 h0.8 r270
  text "RST" at 27.275,34 h0.8 r270
  text "DIO" at 28.875,34 h0.8 r270
  text "BOOT" at 14.1,32.8 h1 r90
  text "I2C" at 0.5,29.3 h1.5
  text "PWR" at 0.5,8.5 h2 r270
  text "TELEM 1" at 34.6,5.7 h1.5 r180
  text "S" at 13.197,5.45 h2
  text "+" at 13,2.765 h3
  text "-" at 13.228,0.25 h3
Bottom Overlay:
  drawing of 237 lines, arcs and shapes, not listed
  text "RC IN" at 5.7,34.5 h1.5 r90
  text "Rev. 1.2" at 19.7,34.5 h1.5 r180
  text "GPS" at 2.4,29.3 h1.5
  text "PIX" at 19,8.675 h2.8
  text "PWR" at 0.5,5.8 h1.5 r180
  text "TELEM 2" at 30.4,5.7 h1.5 r180
  text "Gusakov N.I." at 12.1,0.5 h1.5